# Allegro board MB1167.brd (continued)
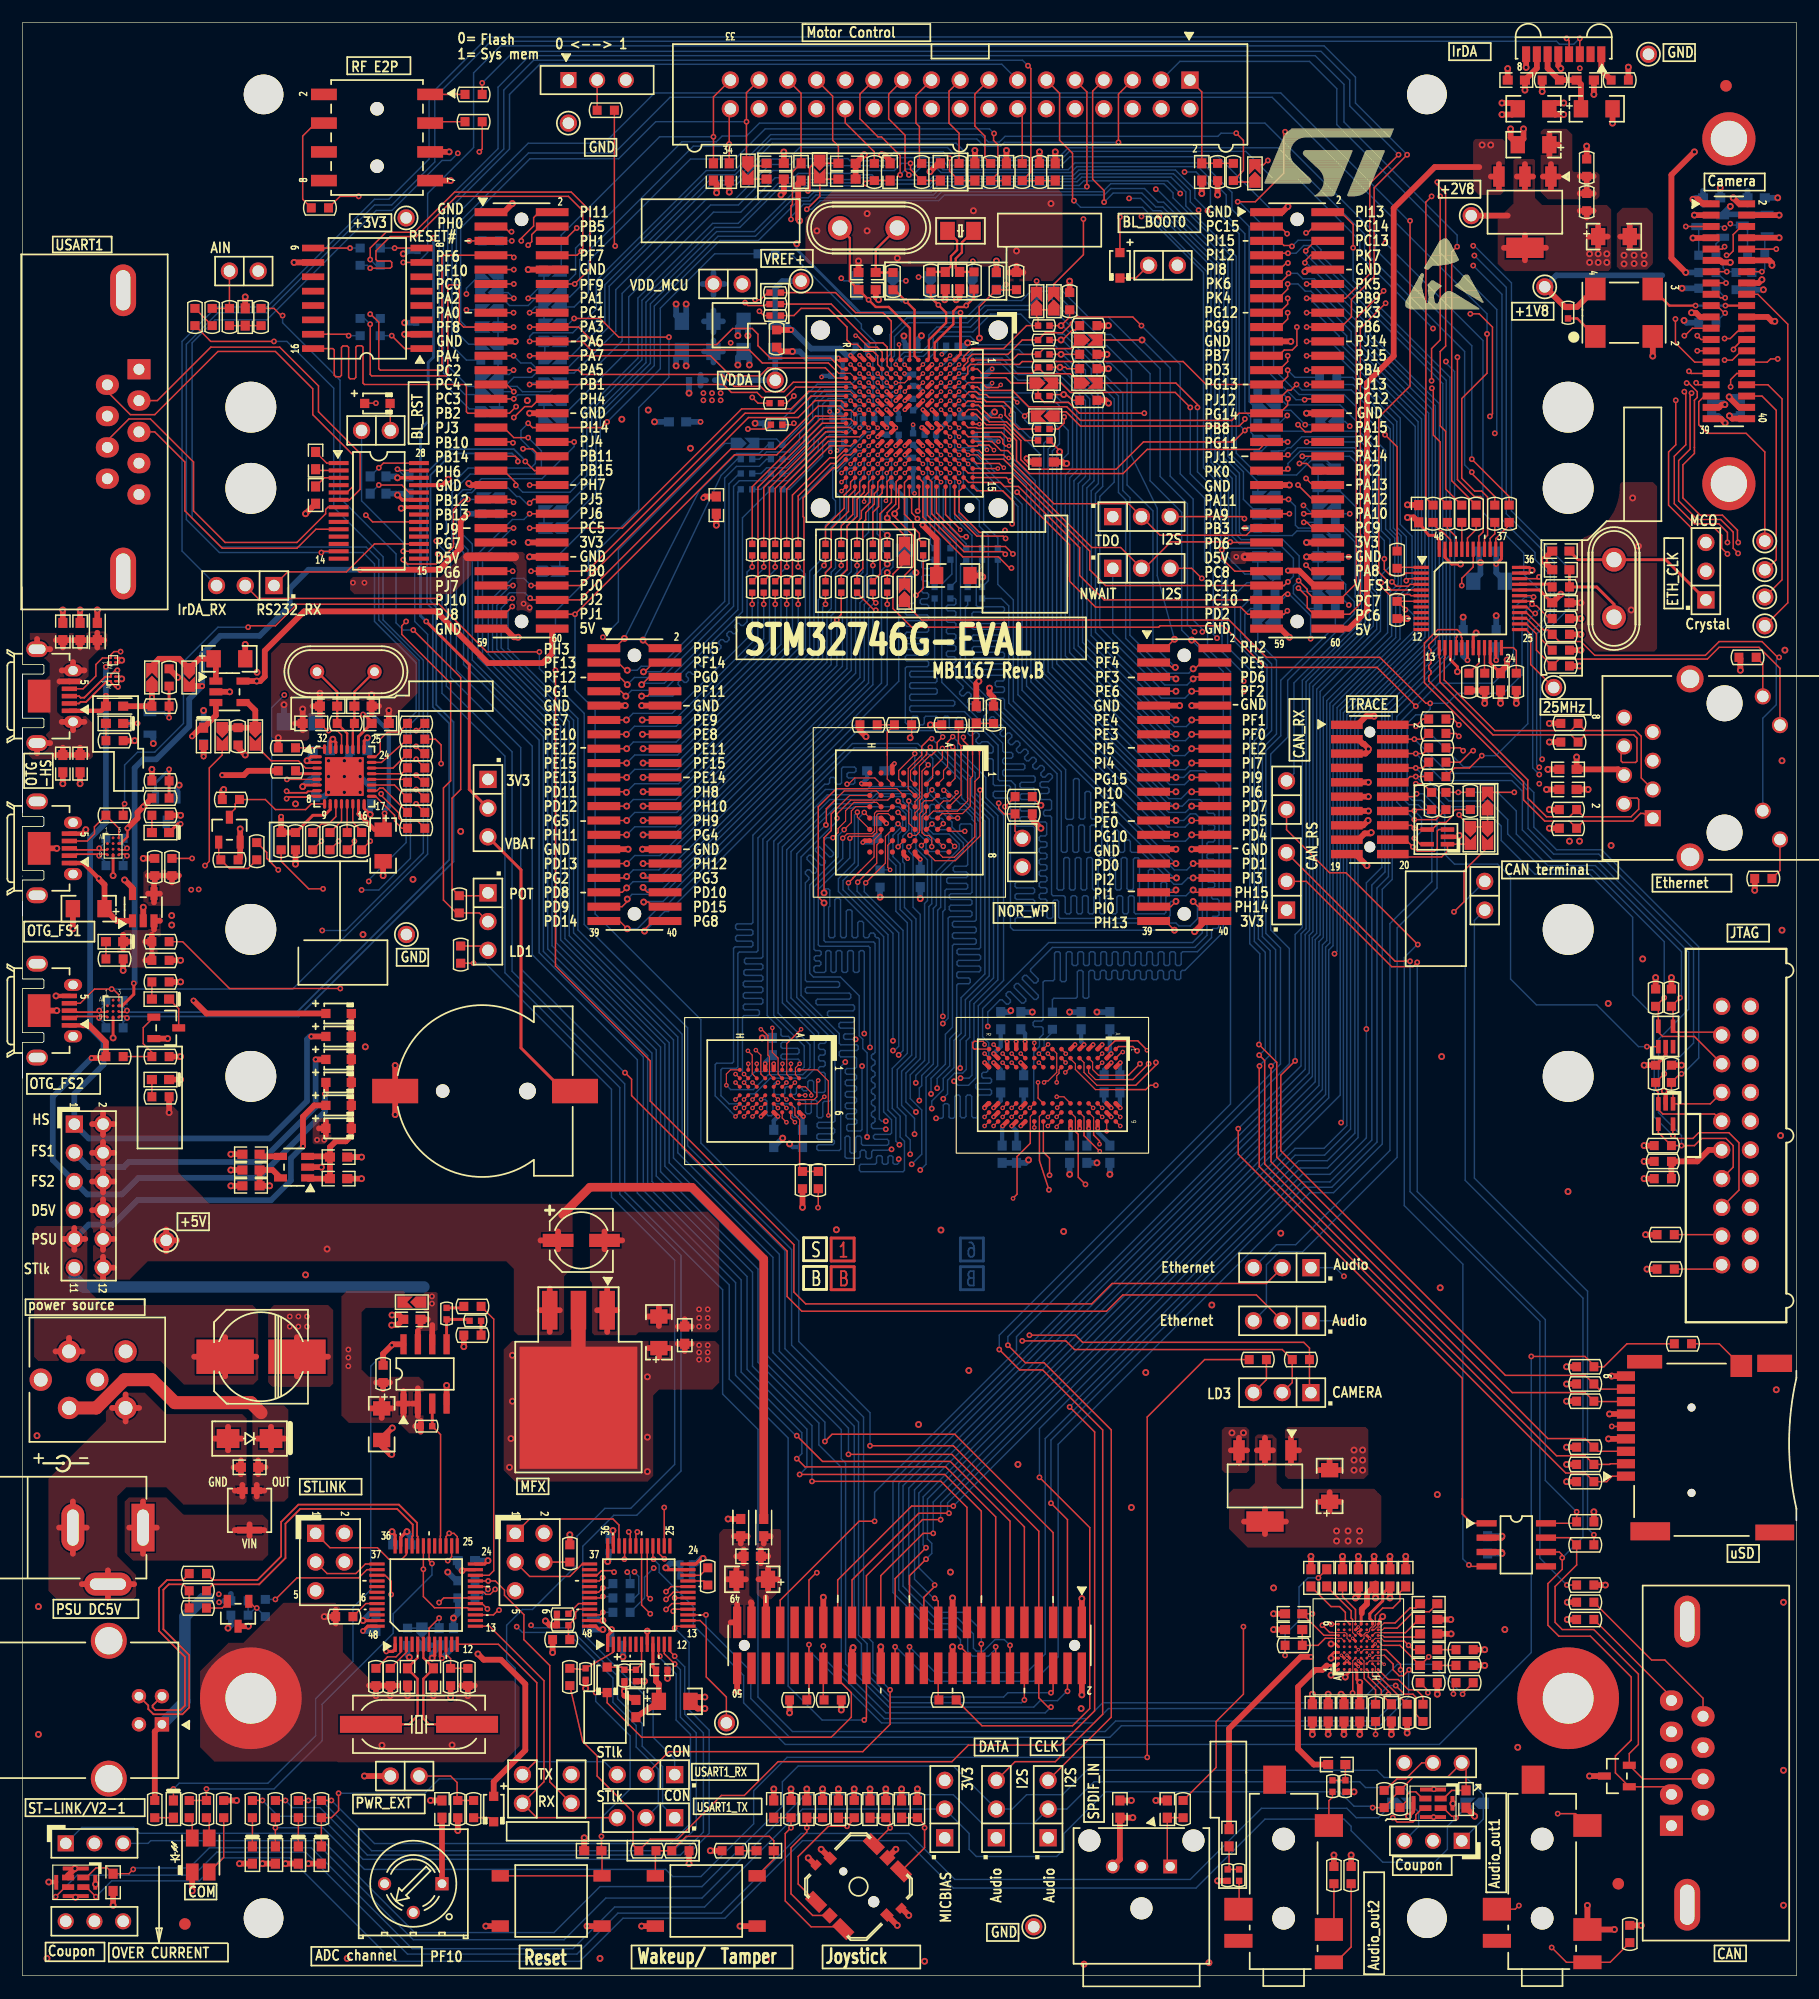
[diagram p0: board, top side]
## Routing (per net, layer and track width the routed paths; a pad name or vN(x,y) marks a point on that pad's centre or on a via; arc(x,y) is an arc through that point) (continued)
  TOP w0.127: CN10.25 v3(53.42,102.16)
  L4_SIG w0.102: v4(78.36,99.83) 77.58,99.06 68.4,99.06 65.99,101.47 65.5,101.47 65.4,101.57 65.4,102.16 65.3,102.26 65.1,102.26 64.99,102.16 64.99,101.57 64.89,101.47 64.69,101.47 64.59,101.57 64.59,102.16 64.49,102.26 64.28,102.26 64.18,102.16 64.18,101.57 64.08,101.47 63.88,101.47 63.78,101.57 63.78,102.16 63.67,102.26 63.47,102.26 63.37,102.16 63.37,101.57 63.27,101.47 63.06,101.47 62.96,101.57 62.96,102.16 62.86,102.26 62.66,102.26 62.56,102.16 62.56,101.57 62.45,101.47 62.25,101.47 62.15,101.57 62.15,102.16 62.05,102.26 61.84,102.26 61.74,102.16 61.74,101.57 61.64,101.47 61.44,101.47 61.34,101.57 61.34,102.16 61.24,102.26 61.03,102.26 60.93,102.16 60.93,101.57 60.83,101.47 60.63,101.47 60.52,101.57 60.52,102.16 60.42,102.26 60.22,102.26 60.12,102.16 60.12,101.57 60.02,101.47 59.81,101.47 59.71,101.57 59.71,102.16 59.61,102.26 59.41,102.26 59.3,102.16 59.3,101.57 59.2,101.47 59,101.47 58.9,101.57 58.9,102.16 58.8,102.26 58.59,102.26 58.49,102.16 58.49,101.57 58.39,101.47 58.19,101.47 58.09,101.57 58.09,102.16 57.98,102.26 57.78,102.26 57.68,102.16 57.68,101.57 57.58,101.47 57.37,101.47 57.27,101.57 57.27,102.16 57.17,102.26 56.97,102.26 56.87,102.16 56.87,101.57 56.76,101.47 56.56,101.47 56.46,101.57 56.46,102.16 56.36,102.26 56.16,102.26 56.05,102.16 56.05,101.57 55.95,101.47 54.1,101.47 v3(53.42,102.16) ; v5(64.54,77.48) 64.93,77.09 67.69,77.09 69.37,77.09 69.88,76.58 78.74,76.58 78.94,76.38 v1(78.99,76.38) 79.12,76.25 80.7,76.25 80.92,76.48 84.01,76.48 84.83,77.3 89.36,77.3 89.48,77.17 89.48,76.07 89.61,75.95 89.84,75.95 89.97,76.07 89.97,76.17 90.09,76.3 90.3,76.3 90.53,76.07 90.53,76.07 90.65,75.94 v5(90.66,75.94)
  BOTTOM w0.127: v3(53.42,102.16) 54.13,102.87 57.84,102.87 71.12,116.15 71.12,120.52 71.5,120.9 71.5,124.11 71.88,124.49 71.88,125.09 R264.2 ; v4(78.36,99.83) 78.36,99.44 78.74,99.06 78.74,94.49 79.38,93.85 79.38,81.09 78.11,79.82 78.11,77.27 v1(78.99,76.38)
A16: length 114.2
  TOP w0.102: v4(77.42,99.83) 77.42,99.88 U9.E7 ; v5(65.29,77.48) U14.E4
  TOP w0.127: CN10.21 53.34,104.7 v3(53.39,104.65)
  L4_SIG w0.102: v4(77.42,99.83) 77.4,99.82 68.91,99.82 64.72,104.01 54.1,104.01 53.47,104.65 v3(53.39,104.65)
  BOTTOM w0.127: R265.1 69.6,124.21 69.6,117.02 57.99,105.41 54.13,105.41 53.39,104.67 v3(53.39,104.65) ; v5(65.29,77.48) 65.67,77.48 65.81,77.34 65.81,76.17 65.94,76.05 66.22,76.05 66.34,76.17 66.34,76.97 66.47,77.1 67.92,77.1 68.05,76.97 68.05,76.02 68.17,75.9 68.48,75.9 68.61,76.02 68.61,77.32 68.73,77.44 69.1,77.44 69.23,77.32 69.23,76.35 69.36,76.23 69.61,76.23 69.74,76.35 69.74,77.32 69.87,77.44 70.12,77.44 70.25,77.32 70.25,76 70.37,75.87 70.63,75.87 70.75,76 70.75,77.19 70.88,77.32 71.32,77.32 71.45,77.44 71.45,82.96 67.94,86.46 67.94,99.41 71.79,103.25 73.41,103.25 73.53,103.38 77.48,103.38 77.82,103.04 77.82,103.03 78.11,102.74 78.11,101.6 77.42,100.91 v4(77.42,99.83)
A17: length 114.8
  TOP w0.102: v5(66.79,78.98) U14.D3 ; v4(78.46,100.84) 79.02,100.84 79.29,101.11 79.29,102.74 79.53,102.97 79.53,103.68 79.76,103.91 80.44,103.91 80.9,104.37 U9.B3
  TOP w0.127: CN10.23 v3(53.42,103.43)
  L4_SIG w0.102: v4(78.46,100.84) 77.97,100.34 77.97,99.73 77.68,99.44 68.68,99.44 65.38,102.74 54.1,102.74 v3(53.42,103.43)
  BOTTOM w0.127: v5(66.79,78.98) 66.57,78.98 66.45,78.85 66.45,78.05 66.57,77.93 67.28,77.93 67.4,78.05 67.4,78.49 67.53,78.61 67.78,78.61 67.91,78.49 67.91,78.05 68.04,77.93 68.29,77.93 68.42,78.05 68.42,78.49 68.55,78.61 68.8,78.61 68.93,78.49 68.93,78.38 69.05,78.26 69.31,78.26 69.44,78.38 69.44,79.04 69.56,79.17 69.82,79.17 69.94,79.04 69.94,78.23 70.07,78.11 70.84,78.11 70.97,78.23 70.97,79.76 70.84,79.88 70.51,79.88 70.38,80.01 70.38,80.26 70.51,80.39 70.84,80.39 70.97,80.52 70.97,80.77 70.84,80.9 70.51,80.9 70.38,81.03 70.38,81.28 70.51,81.41 70.84,81.41 70.97,81.53 70.97,81.79 70.84,81.92 70.51,81.92 70.38,82.04 70.38,82.32 70.51,82.45 70.92,82.45 71.04,82.58 71.04,82.78 70.92,82.91 70.51,82.91 70.38,83.03 70.38,83.39 67.56,86.21 67.56,99.57 71.63,103.63 75.06,103.63 75.7,104.28 77.71,104.28 77.85,104.14 77.85,103.82 78.19,103.48 78.2,103.48 78.61,103.07 78.61,100.99 v4(78.46,100.84) ; v3(53.42,103.43) 54,104.01 57.78,104.01 70.36,116.59 70.36,121.67 R274.2
A18: length 122.8
  TOP w0.102: v5(62.23,78.74) 62.23,79.74 62.59,80.11 U14.H1 ; U9.C4 79.91,102.91 79.53,102.53 79.53,101.07 79.76,100.84 80.14,100.84 80.39,100.58 v4(80.39,99.85)
  TOP w0.127: CN10.31 v3(53.42,98.35)
  L4_SIG w0.102: v3(53.42,98.35) 53.98,97.79 55.02,97.79 55.45,98.22 79.57,98.22 80.39,99.05 v4(80.39,99.85)
  BOTTOM w0.127: v3(53.42,98.35) 54.13,99.06 56.36,99.06 72.89,115.59 72.89,123.79 73.28,124.18 73.28,125.09 R263.2 ; v5(62.23,78.74) 62.61,78.36 64.62,78.36 65.94,79.68 68.98,79.68 69.62,80.32 69.62,82.32 66.8,85.14 66.8,100.08 71.16,104.43 74.84,104.43 75.2,104.79 78.56,104.79 79.38,103.98 79.38,101.35 80.39,100.33 v4(80.39,99.85)
A19: length 127.2
  TOP w0.102: v5(63.79,79.73) U14.G2 ; v4(80.08,107.08) 79.53,106.53 79.53,104.14 79.29,103.9 79.29,103.21 78.91,102.83 U9.D5
  TOP w0.127: CN11.13 v3(101.98,109.78) ; R37.2 v3(91.73,142.24) 92.22,142.24 92.35,142.11 R38.2
  L4_SIG w0.102: v3(101.98,109.78) 101.14,109.78 98.17,106.81 80.35,106.81 v4(80.08,107.08)
  BOTTOM w0.127: v3(91.73,142.24) 92.84,141.13 92.84,140.97 94.36,139.45 94.36,132.37 93.73,131.73 93.73,117.91 101.85,109.78 v3(101.98,109.78) ; v5(63.79,79.73) 63.65,79.87 63.65,84.78 63.78,84.9 65.02,84.9 65.15,85.03 65.15,85.29 65.02,85.41 63.86,85.41 63.73,85.54 63.73,85.79 63.86,85.92 65.33,85.92 65.46,86.05 65.46,86.3 65.33,86.43 63.86,86.43 63.73,86.56 63.73,86.81 63.86,86.94 65.33,86.94 65.46,87.06 65.46,87.32 65.33,87.44 63.86,87.44 63.73,87.57 63.73,87.83 63.86,87.95 65.33,87.95 65.46,88.08 65.46,88.33 65.33,88.46 63.91,88.46 63.78,88.59 63.78,88.84 63.91,88.97 65.33,88.97 65.46,89.1 65.46,89.35 65.33,89.48 63.96,89.48 63.83,89.6 63.83,89.86 63.96,89.98 65.33,89.98 65.46,90.11 65.46,100.51 73.53,108.58 78.99,108.58 79.5,108.08 79.5,107.65 v4(80.08,107.08)
A20: length 129
  TOP w0.102: 80.39,107.95 80.26,107.95 79.3,106.98 79.3,104.22 78.91,103.83 U9.D4 ; U14.H6 v5(63.04,75.98)
  TOP w0.127: R36.2 v3(91.82,143.38) R35.2 ; v4(81.36,109.55) 80.87,109.07 80.87,108.43 80.39,107.95 ; CN11.11 v3(101.98,111.05)
  L4_SIG w0.102: v3(101.98,111.05) 101.02,111.05 97.54,107.57 81.66,107.57 80.85,108.38 80.85,109.04 v4(81.36,109.55)
  BOTTOM w0.127: v4(81.36,109.55) 81.36,109.65 80.9,110.11 73.83,110.11 64.57,100.86 64.57,93.14 64.45,93.01 63.17,93.01 63.04,92.89 63.04,92.63 63.17,92.51 64.45,92.51 64.57,92.38 64.57,92.13 64.45,92 63.17,92 63.04,91.87 63.04,91.62 63.17,91.49 64.45,91.49 64.57,91.36 64.57,91.11 64.45,90.98 62.99,90.98 62.87,90.86 62.87,80.82 62.74,80.7 61.37,80.7 61.24,80.57 61.24,77.8 62.56,76.48 62.56,76.46 v5(63.04,75.98) ; v3(101.98,111.05) 101.96,111.05 94.49,118.52 94.49,131.32 95.12,131.95 95.12,139.77 93.6,141.29 93.6,141.73 91.95,143.38 v3(91.82,143.38)
A21: length 74.9
  TOP w0.102: 83.57,107.95 83.57,103.89 82.67,102.99 81.75,102.99 81.74,103 81.08,103 81.07,102.99 80.53,102.99 U9.C5
  TOP w0.127: R31.2 v3(91.82,145.92) 92.58,146.69 R23.2 ; 83.57,107.95 83.57,108.84 83.19,109.22 v4(83.19,109.52) ; v3(103.5,115.57) 103.66,115.57 104.22,116.13 CN11.4
  L4_SIG w0.102: v3(103.5,115.57) 103.1,115.16 101.6,115.16 96.42,109.98 83.69,109.98 83.31,109.6 83.26,109.6 v4(83.19,109.52)
  BOTTOM w0.127: v3(103.5,115.57) 103.12,115.19 101.27,115.19 97.92,118.54 97.92,130.71 97.28,131.34 97.28,139.95 95.38,141.86 95.38,142.49 91.95,145.92 v3(91.82,145.92)
A22: length 73.9
  TOP w0.102: 84.61,107.95 84.61,106.02 84.2,105.61 84.2,100.71 82.4,98.91 81.37,98.91 U9.B8
  TOP w0.127: R34.2 v3(91.82,144.65) 91.95,144.65 92.84,145.54 93.09,145.54 R32.2 ; CN11.7 v3(101.98,113.59) ; 84.61,107.95 v4(84.61,108.48)
  L4_SIG w0.102: v3(101.98,113.59) 96.88,108.48 v4(84.61,108.48)
  BOTTOM w0.127: v3(101.98,113.59) 100.86,113.59 95.25,119.2 95.25,130.81 96.52,132.08 96.52,139.45 94.49,141.48 94.49,142.11 91.95,144.65 v3(91.82,144.65)
A23: length 74.2
  TOP w0.102: U9.C8 80.68,98.6 82.47,98.6 84.66,100.79 v4(84.66,104.85)
  TOP w0.127: R39.2 90.93,139.83 v3(92.06,139.83) 92.3,139.83 92.49,139.64 92.52,139.64 92.84,139.32 R40.2 ; CN11.16 v3(103.38,108.51)
  L4_SIG w0.102: v3(103.38,108.51) 102.9,108.99 101.63,108.99 97.92,105.28 85.09,105.28 v4(84.66,104.85)
  BOTTOM w0.127: v3(103.38,108.51) 102.77,107.9 101.7,107.9 92.58,117.02 92.58,132.46 93.22,133.1 93.22,138.94 92.44,139.72 92.16,139.72 v3(92.06,139.83)
AIN_1: length 3.8
  TOP w0.127: R187.2 R186.2 37.85,28.03 37.44,28.44 U21.10
BOOT0: length 79
  TOP w0.127: v1(52.4,152.96) 52.32,153.03 R4.1 ; U4.E6 v5(81.21,139.29)
  L4_SIG w0.102: JP1.2 100.58,149.73 94.49,149.73 92.84,148.08 91.44,148.08 90.44,147.08 85.84,147.08 84.1,145.34 84.1,144.15 83.27,143.32 83.27,142.41 82.91,142.04 82.66,142.04 82.45,141.83 82.45,141.59 82.11,141.24 81.06,141.24 80.77,140.95 80.77,139.95 81.21,139.52 v5(81.21,139.29) 81.21,139.22 80.87,138.89 80.31,138.89 80.27,138.93 80.26,138.93 80.05,139.14 80.05,139.15 79.97,139.24 79.97,139.43 79.76,139.64 79.56,139.64 79.47,139.73 79.46,139.73 79.25,139.94 79.25,139.95 78.89,140.31 78.89,142.39 78.23,143.05 77.55,143.05 76.81,143.79 76.81,146.08 75.9,146.99 73.48,146.99 69.47,151 54.36,151 v1(52.4,152.96)
CAMERA_CLK: length 8.9
  TOP w0.203: CN4.20 v1(150.57,147.69) ; X3.3 145.62,147.69 v1(147.93,147.69)
  BOTTOM w0.203: v1(150.57,147.69) v1(147.93,147.69)
CUR_SEL: length 25.6
  TOP w0.127: R150.1 41.66,58.06 41.66,35.81 41.25,35.41 U21.22
D0: length 140.6
  TOP w0.102: v5(85.06,75.94) U13.R8 ; 71.88,104.9 71.96,104.98 77.3,104.98 U9.E3 ; U14.B6 67.92,75.85 v5(68.29,75.47)
  TOP w0.127: 71.88,104.9 70.36,103.38 70.36,95.38 v3(70.87,94.87) ; CN10.39 52.78,93.27 v3(53.47,92.58) ; R72.2 v1(76.45,121.28)
  L4_SIG w0.102: v3(70.87,94.87) 70.87,93.22 70.59,92.94 70.33,92.94 70.23,93.04 70.23,93.34 70.13,93.45 69.93,93.45 69.82,93.34 69.82,93.04 69.72,92.94 69.52,92.94 69.42,93.04 69.42,93.34 69.32,93.45 69.11,93.45 69.01,93.34 69.01,93.04 68.91,92.94 68.71,92.94 68.61,93.04 68.61,93.34 68.5,93.45 68.3,93.45 68.2,93.34 68.2,93.04 68.1,92.94 67.89,92.94 67.79,93.04 67.79,93.34 67.69,93.45 67.49,93.45 67.39,93.34 67.39,93.04 67.28,92.94 67.08,92.94 66.98,93.04 66.98,93.34 66.88,93.45 66.67,93.45 66.57,93.34 66.57,93.04 66.47,92.94 66.27,92.94 66.17,93.04 66.17,93.34 66.07,93.45 65.86,93.45 65.76,93.34 65.76,93.04 65.66,92.94 65.46,92.94 65.35,93.04 65.35,93.34 65.25,93.45 65.05,93.45 64.95,93.34 64.95,93.04 64.85,92.94 64.64,92.94 64.54,93.04 64.54,93.34 64.44,93.45 64.24,93.45 64.14,93.34 64.14,93.04 64.03,92.94 63.83,92.94 63.73,93.04 63.73,93.34 63.63,93.45 63.42,93.45 63.32,93.34 63.32,93.04 63.22,92.94 63.02,92.94 62.92,93.04 62.92,93.34 62.81,93.45 62.61,93.45 62.51,93.34 62.51,93.04 62.41,92.94 62.2,92.94 62.1,93.04 62.1,93.34 62,93.45 61.8,93.45 61.7,93.34 61.7,93.04 61.59,92.94 61.39,92.94 61.29,93.04 61.29,93.34 61.19,93.45 60.99,93.45 60.88,93.34 60.88,93.04 60.78,92.94 60.58,92.94 60.48,93.04 60.48,93.34 60.38,93.45 60.17,93.45 60.07,93.34 60.07,93.04 59.97,92.94 59.77,92.94 59.66,93.04 59.66,93.34 59.56,93.45 59.36,93.45 59.26,93.34 59.26,93.04 59.16,92.94 58.95,92.94 58.85,93.04 58.85,93.34 58.75,93.45 58.55,93.45 58.45,93.34 58.45,93.04 58.34,92.94 58.14,92.94 58.04,93.04 58.04,93.34 57.94,93.45 57.73,93.45 57.63,93.34 57.63,93.04 57.53,92.94 57.33,92.94 57.23,93.04 57.23,93.34 57.12,93.45 56.92,93.45 56.82,93.34 56.82,93.04 56.72,92.94 56.52,92.94 56.41,93.04 56.41,93.34 56.31,93.45 56.11,93.45 56.01,93.34 56.01,93.04 55.91,92.94 55.7,92.94 55.6,93.04 55.6,93.34 55.5,93.45 55.3,93.45 55.19,93.34 55.19,93.04 55.09,92.94 54.86,92.94 54.51,92.58 v3(53.47,92.58) ; v5(85.06,75.94) 84.66,75.54 81.61,75.54 81.15,75.08 76.61,75.08 76.38,74.85 v1(76.33,74.85) 76.05,74.85 75.72,75.18 69.47,75.18 69.04,75.62 68.42,75.62 68.29,75.49 v5(68.29,75.47)
  BOTTOM w0.127: v1(76.33,74.85) 76.27,74.91 75.18,74.91 75.06,75.04 75.06,75.29 75.18,75.42 75.25,75.42 75.37,75.55 75.37,75.8 75.25,75.93 75.18,75.93 75.06,76.05 75.06,76.31 75.18,76.43 75.25,76.43 75.37,76.56 75.37,76.82 75.25,76.94 75.18,76.94 75.06,77.07 75.06,77.32 75.18,77.45 75.25,77.45 75.37,77.58 75.37,77.83 75.25,77.96 75.18,77.96 75.06,78.09 75.06,78.34 75.18,78.47 75.25,78.47 75.37,78.59 75.37,78.85 75.25,78.97 75.18,78.97 75.06,79.1 75.06,79.36 75.18,79.48 75.25,79.48 75.37,79.61 75.37,79.86 75.25,79.99 75.18,79.99 75.06,80.12 75.06,80.37 75.18,80.5 75.25,80.5 75.37,80.63 75.37,80.88 75.25,81.01 75.18,81.01 75.06,81.13 75.06,81.39 75.18,81.51 75.25,81.51 75.37,81.64 75.37,91.29 75.25,91.41 70.99,91.41 70.87,91.54 v3(70.87,94.87) ; v1(76.45,121.28) 76.45,114.17 56.9,94.61 56.39,94.61 54.36,92.58 v3(53.47,92.58)
D1: length 141.8
  TOP w0.102: 71.88,103.12 73.13,104.37 U9.H3 ; v5(86.66,76.74) U13.N7 ; U14.C5 v5(67.54,76.73)
  TOP w0.127: v3(70.87,95.76) 70.87,100.63 71.5,101.27 71.5,102.74 71.88,103.12 ; v3(54.91,94.95) 55.35,94.95 55.75,94.54 CN10.38 ; R60.2 v3(76.45,124.84)
  L4_SIG w0.102: v5(86.66,76.74) 86.26,76.34 84.85,76.34 84.35,75.84 81.46,75.84 81,75.39 76.5,75.39 v1(76.33,75.56) 75.28,75.56 75.13,75.72 74.87,75.72 74.72,75.56 74.47,75.56 74.31,75.72 74.06,75.72 73.91,75.56 73.65,75.56 73.5,75.72 73.25,75.72 73.09,75.56 72.84,75.56 72.69,75.72 72.43,75.72 72.28,75.56 72.03,75.56 71.88,75.72 71.62,75.72 71.47,75.56 70.87,75.56 70.74,75.69 70.74,76.09 70.61,76.21 70.36,76.21 70.23,76.09 70.23,75.79 70.1,75.67 69.82,75.67 69.7,75.79 69.7,76.33 69.29,76.73 68.35,76.73 68.22,76.61 68.22,76.38 68.1,76.25 67.92,76.25 67.79,76.38 67.79,76.61 67.67,76.73 v5(67.54,76.73) ; v3(70.87,95.76) 70.51,95.76 70.38,95.63 70.38,93.9 70.26,93.78 57.05,93.78 56.95,93.88 56.95,95 56.83,95.12 56.66,95.12 56.55,95 56.55,93.88 56.44,93.78 56.24,93.78 56.14,93.88 56.14,94.95 56.02,95.07 55.85,95.07 55.73,94.95 55.73,93.88 55.63,93.78 55.4,93.78 55.27,93.9 55.27,94.82 55.14,94.95 v3(54.91,94.95)
  BOTTOM w0.127: v3(76.45,124.84) 76.45,124.78 75.95,124.27 75.95,114.31 56.63,95 54.97,95 v3(54.91,94.95) ; v3(70.87,95.76) 70.87,95.99 70.99,96.11 71.25,96.11 71.37,95.99 71.37,94.59 71.27,94.49 71.27,91.92 71.4,91.8 71.69,91.8 71.82,91.92 71.82,95.15 71.95,95.28 72.2,95.28 72.33,95.15 72.33,91.92 72.45,91.8 72.71,91.8 72.83,91.92 72.83,94.13 72.96,94.26 73.22,94.26 73.34,94.13 73.34,91.92 73.47,91.8 73.72,91.8 73.85,91.92 73.85,93.12 73.98,93.24 74.23,93.24 74.36,93.12 74.36,91.92 74.49,91.8 74.74,91.8 74.87,91.92 74.87,92.08 74.99,92.2 75.25,92.2 75.37,92.08 75.37,91.92 75.5,91.8 75.63,91.8 75.76,91.67 75.76,75.76 75.95,75.56 v1(76.33,75.56)
D2: length 129
  TOP w0.102: v5(67.54,75.47) 67.16,75.85 U14.C6 ; U9.E4 v4(77.41,103.87) ; v5(85.06,75.14) U13.R9
  TOP w0.127: CN11.31 v3(101.98,98.35)
  L4_SIG w0.102: v3(101.98,98.35) 101.9,98.35 100.86,99.39 86.92,99.39 86.79,99.52 86.79,101.47 86.66,101.6 86.21,101.6 86.11,101.5 86.11,99.52 86.01,99.42 85.8,99.42 85.7,99.52 85.7,101.5 85.6,101.6 85.4,101.6 85.3,101.5 85.3,99.52 85.19,99.42 84.99,99.42 84.89,99.52 84.89,101.5 84.79,101.6 82.3,101.6 81.84,101.14 79.76,101.14 77.41,103.49 v4(77.41,103.87) ; v5(67.54,75.47) 68.21,74.8 75.01,74.8 75.39,74.42 v1(78.87,74.42) 81.56,74.42 81.66,74.52 81.66,75.01 81.78,75.13 81.95,75.13 82.07,75.01 82.07,74.52 82.17,74.42 82.37,74.42 82.47,74.52 82.47,74.96 82.59,75.08 82.76,75.08 82.88,74.96 82.88,74.52 82.98,74.42 83.19,74.42 83.29,74.52 83.29,74.96 83.39,75.06 83.59,75.06 83.69,74.96 83.69,74.52 83.79,74.42 84,74.42 84.1,74.52 84.1,74.96 84.2,75.06 84.4,75.06 84.51,74.96 84.51,74.55 84.63,74.42 84.93,74.42 85.06,74.55 v5(85.06,75.14)
  BOTTOM w0.127: v1(78.87,74.42) 78.87,75.82 77.72,76.96 77.72,79.98 78.99,81.25 78.99,93.45 77.98,94.46 77.98,98.36 77.83,98.51 77.83,100.78 78.36,101.31 78.36,102.87 77.41,103.82 v4(77.41,103.87) ; v3(101.98,98.35) 101.96,98.35 87.6,112.7 87.6,121.67 86.23,123.04 R267.2
D3: length 130.7
  TOP w0.102: v4(72.64,101.35) 73.28,101.98 73.28,103 73.67,103.39 74.89,103.39 U9.H4 ; U14.D5 v5(66.79,76.73) ; v5(86.66,75.94) U13.N8
  TOP w0.127: CN11.32 v3(103.5,98.35)
  L4_SIG w0.102: v5(66.79,76.73) 67.18,76.34 67.18,75.29 68.3,74.17 68.66,74.17 68.76,74.27 68.76,74.37 68.87,74.47 69.07,74.47 69.17,74.37 69.17,74.27 69.27,74.17 69.47,74.17 69.58,74.27 69.58,74.37 69.68,74.47 69.88,74.47 69.98,74.37 69.98,74.27 70.08,74.17 70.29,74.17 70.39,74.27 70.39,74.37 70.49,74.47 70.69,74.47 70.8,74.37 70.8,74.27 70.9,74.17 71.1,74.17 71.2,74.27 71.2,74.37 71.3,74.47 71.51,74.47 71.61,74.37 71.61,74.27 71.71,74.17 71.91,74.17 72.01,74.27 72.01,74.37 72.12,74.47 72.32,74.47 72.42,74.37 72.42,74.27 72.52,74.17 72.73,74.17 72.83,74.27 72.83,74.37 72.93,74.47 73.13,74.47 73.23,74.37 73.23,74.27 73.34,74.17 73.54,74.17 73.64,74.27 73.64,74.37 73.74,74.47 73.95,74.47 74.05,74.37 74.05,74.27 74.15,74.17 v1(74.68,74.17) 74.93,73.91 78.99,73.91 79.2,74.12 85.06,74.12 85.47,74.52 85.47,75.31 85.72,75.56 86.11,75.56 86.48,75.94 v5(86.66,75.94) ; v3(103.5,98.35) 103.05,98.35 102.57,97.87 101.63,97.87 100.48,99.01 84.05,99.01 82.47,100.58 79.38,100.58 78.73,101.23 72.76,101.23 v4(72.64,101.35)
  BOTTOM w0.127: v3(103.5,98.35) 102.95,97.79 101.84,97.79 101.49,98.14 101.49,98.26 87.2,112.55 87.2,121.13 86.54,121.79 R276.2 ; v1(74.68,74.17) 74.68,81.61 74.3,81.99 74.3,82.81 73.98,83.13 73.98,86.65 72.31,88.32 69.93,88.32 69.6,88.65 69.6,96.44 72.11,98.96 72.11,100.81 v4(72.64,101.35)
D4: length 120.7
  TOP w0.102: v5(85.86,75.14) U13.P9 ; U9.H5 74.91,102.38 v4(74.42,102.87) ; U14.E5 v5(65.29,76.73)
  TOP w0.127: CN10.11 v3(53.39,111.05) ; v1(64.52,121.28) R63.2
  L4_SIG w0.102: v5(65.29,76.73) 65.76,76.26 65.78,76.26 68.5,73.53 77.48,73.53 v1(77.53,73.48) 77.55,73.48 77.6,73.53 79.04,73.53 79.32,73.81 79.59,73.81 79.69,73.71 79.69,73.36 79.79,73.25 79.99,73.25 80.09,73.36 80.09,73.71 80.2,73.81 80.4,73.81 80.5,73.71 80.5,73.36 80.6,73.25 80.81,73.25 80.91,73.36 80.91,73.71 81.01,73.81 81.21,73.81 81.31,73.71 81.31,73.36 81.41,73.25 81.62,73.25 81.72,73.36 81.72,73.71 81.82,73.81 82.02,73.81 82.13,73.71 82.13,73.36 82.23,73.25 82.43,73.25 82.53,73.36 82.53,73.71 82.63,73.81 85.19,73.81 85.86,74.48 v5(85.86,75.14) ; v4(74.42,102.87) 74.04,102.49 73.66,102.49 71.84,104.31 71.7,104.31 71.11,103.71 70.96,103.71 70.82,103.86 70.82,104 71.41,104.59 71.41,104.74 71.27,104.88 71.12,104.88 70.53,104.29 70.39,104.29 70.24,104.43 70.24,104.58 70.84,105.17 70.84,105.31 65.84,110.31 65.58,110.31 65.48,110.41 65.48,110.68 65.36,110.79 65.19,110.79 65.07,110.68 65.07,110.41 64.97,110.31 64.77,110.31 64.67,110.41 64.67,110.79 64.57,110.9 64.36,110.9 64.26,110.79 64.26,110.41 64.16,110.31 63.96,110.31 63.86,110.41 63.86,110.79 63.75,110.9 63.55,110.9 63.45,110.79 63.45,110.41 63.35,110.31 63.14,110.31 63.04,110.41 63.04,110.79 62.94,110.9 62.74,110.9 62.64,110.79 62.64,110.41 62.53,110.31 62.33,110.31 62.23,110.41 62.23,110.79 62.13,110.9 61.92,110.9 61.82,110.79 61.82,110.41 61.72,110.31 61.52,110.31 61.42,110.41 61.42,110.79 61.32,110.9 61.11,110.9 61.01,110.79 61.01,110.41 60.91,110.31 60.71,110.31 60.6,110.41 60.6,110.79 60.5,110.9 60.3,110.9 60.2,110.79 60.2,110.41 60.1,110.31 59.89,110.31 59.79,110.41 59.79,110.79 59.69,110.9 59.49,110.9 59.38,110.79 59.38,110.41 59.28,110.31 59.08,110.31 58.98,110.41 58.98,110.79 58.88,110.9 58.67,110.9 58.57,110.79 58.57,110.41 58.47,110.31 58.27,110.31 58.17,110.41 58.17,110.79 58.06,110.9 57.86,110.9 57.76,110.79 57.76,110.41 57.66,110.31 57.45,110.31 57.35,110.41 57.35,110.79 57.25,110.9 57.05,110.9 56.95,110.79 56.95,110.41 56.84,110.31 56.64,110.31 56.54,110.41 56.54,110.79 56.44,110.9 56.24,110.9 56.13,110.79 56.13,110.41 56.03,110.31 55.83,110.31 55.73,110.41 55.73,110.79 55.63,110.9 55.42,110.9 55.32,110.79 55.32,110.41 55.22,110.31 54.13,110.31 v3(53.39,111.05)
  BOTTOM w0.127: v4(74.42,102.87) 73.89,102.34 73.89,98.2 72.54,96.85 72.54,96.04 76.52,92.06 76.52,76.55 77.22,75.85 77.22,73.8 v1(77.53,73.48) ; v1(64.52,121.28) 64.52,118.72 57.43,111.63 53.98,111.63 v3(53.39,111.05)
D5: length 128.8
  TOP w0.102: U9.E5 v4(77.41,102.87) ; U14.F5 v5(64.54,76.73) ; v5(87.46,75.94) U13.M8
  TOP w0.127: R53.2 v1(66.55,124.59) ; CN10.14 v3(54.81,109.78)
  L4_SIG w0.102: v5(87.46,75.94) 87.46,75.78 87.1,75.42 87.1,74.65 86.98,74.52 86.66,74.52 86.54,74.4 86.54,74.27 86.66,74.14 87.15,74.14 87.27,74.02 87.27,73.84 87.15,73.71 85.96,73.71 85.84,73.58 85.84,72.75 85.74,72.64 85.42,72.64 85.32,72.75 85.32,73.08 85.22,73.18 85.01,73.18 84.91,73.08 84.91,72.75 84.81,72.64 84.61,72.64 84.51,72.75 84.51,73.08 84.4,73.18 84.2,73.18 84.1,73.08 84.1,72.75 84,72.64 83.79,72.64 83.69,72.75 83.69,73.08 83.59,73.18 83.39,73.18 83.29,73.08 83.29,72.75 83.19,72.64 v1(78.49,72.64) 67.34,72.64 64.15,75.83 64.15,76.34 v5(64.54,76.73) ; v4(77.41,102.87) 76.5,102.87 75.85,102.22 73.29,102.22 72.39,103.12 71.07,103.12 69.1,105.09 69.1,105.23 69.57,105.7 69.57,105.84 69.43,105.99 69.28,105.99 68.82,105.52 68.67,105.52 68.53,105.66 68.53,105.81 69,106.27 69,106.42 68.85,106.56 68.71,106.56 68.24,106.09 68.1,106.09 67.95,106.24 67.95,106.38 68.42,106.85 68.42,106.99 68.28,107.14 68.13,107.14 67.67,106.67 67.52,106.67 67.38,106.81 67.38,106.96 67.85,107.42 67.85,107.57 67.7,107.71 67.56,107.71 67.09,107.24 66.95,107.24 66.8,107.39 66.8,107.53 67.27,108 67.27,108.14 67.13,108.29 66.98,108.29 66.52,107.82 66.37,107.82 66.23,107.96 66.23,108.11 66.7,108.57 66.7,108.72 66.55,108.86 66.41,108.86 65.94,108.4 65.8,108.4 65.65,108.54 65.65,108.68 66.12,109.15 66.12,109.29 65.98,109.44 65.83,109.44 65.37,108.97 65.22,108.97 65.08,109.11 65.08,109.26 65.55,109.72 65.55,109.87 65.4,110.01 65.26,110.01 64.79,109.55 64.65,109.55 64.41,109.78 v3(54.81,109.78)
  BOTTOM w0.127: v1(78.49,72.64) 78.49,73.91 78.11,74.3 78.11,76.04 77.34,76.8 77.34,80.14 78.61,81.41 78.61,93.27 77.6,94.28 77.6,98.33 76.96,98.96 76.96,100.85 77.82,101.7 77.82,102.46 v4(77.41,102.87) ; v1(66.55,124.59) 66.55,124.33 66.04,123.83 66.04,117.98 57.84,109.78 v3(54.81,109.78)
D6: length 124.8
  TOP w0.102: U9.H6 74.91,101.37 73.81,102.46 v4(73.81,102.89) ; U14.F6 v5(64.54,75.98) ; v5(87.46,76.74) U13.M7
  TOP w0.127: R52.2 v1(65.53,124.59) ; CN10.12 v3(54.79,111.05)
  L4_SIG w0.102: v3(54.79,111.05) 54.97,111.23 65.48,111.23 v4(73.81,102.89) ; v5(64.54,75.98) 64.54,75.97 67.44,73.08 v1(76.83,73.08) 76.96,72.95 77.77,72.95 77.98,73.15 78.69,73.15 78.89,72.95 82.75,72.95 82.88,73.08 82.88,73.36 83.01,73.48 85.29,73.48 86.23,74.42 86.23,75.22 86.51,75.5 86.72,75.5 87.01,75.79 87.01,76.3 v5(87.46,76.74)
  BOTTOM w0.127: v1(65.53,124.59) 65.53,124.46 65.02,123.95 65.02,121.41 65.01,121.4 65.01,118.42 57.64,111.05 v3(54.79,111.05) ; v1(76.83,73.08) 76.76,73 75.2,73 75.08,72.87 75.08,72.39 74.95,72.26 74.7,72.26 74.57,72.39 74.57,72.87 74.44,73 74.19,73 74.06,72.87 74.06,72.42 73.93,72.29 72.85,72.29 72.72,72.42 72.72,74.12 72.85,74.24 73.03,74.24 73.15,74.12 73.15,72.87 73.28,72.75 73.54,72.75 73.66,72.87 73.66,74.12 73.79,74.24 74.05,74.24 74.17,74.12 74.17,73.56 74.3,73.43 76.45,73.43 76.58,73.56 76.58,73.84 76.45,73.96 75.36,73.96 75.23,74.09 75.23,74.27 75.36,74.4 76.71,74.4 76.83,74.52 76.83,75.69 76.14,76.39 76.14,91.88 72.14,95.89 72.14,97 73.56,98.42 73.56,102.64 v4(73.81,102.89)
D7: length 124.4
  TOP w0.102: U9.E6 v4(77.41,101.87) ; v5(88.26,75.94) U13.L8 ; U14.G6 v5(63.79,75.98)
  TOP w0.127: R64.2 v1(65.53,121.28) ; CN10.13 v3(53.39,109.78)
  L4_SIG w0.102: v5(88.26,75.94) 87.88,75.56 87.88,73.99 86.99,73.1 86.85,73.1 86.55,73.4 86.38,73.4 86.26,73.28 86.26,73.11 86.56,72.81 86.56,72.67 86.08,72.19 77.5,72.19 v1(77.47,72.21) 67.34,72.21 63.79,75.76 v5(63.79,75.98) ; v3(53.39,109.78) 53.95,109.22 64.52,109.22 70.97,102.77 72.24,102.77 73.15,101.85 75.77,101.85 76.21,102.3 76.98,102.3 v4(77.41,101.87)
  BOTTOM w0.127: v1(65.53,121.28) 65.53,118.24 57.78,110.49 54.1,110.49 v3(53.39,109.78) ; v1(77.47,72.21) 77.47,71.88 77.34,71.75 77.09,71.75 76.96,71.88 76.96,72.39 76.83,72.52 76.65,72.52 76.52,72.39 76.52,71.88 76.4,71.75 76.14,71.75 76.02,71.88 76.02,72.39 75.89,72.52 75.64,72.52 75.51,72.39 75.51,71.88 75.38,71.75 74.12,71.75 73.99,71.63 73.99,71.22 74.12,71.09 77.85,71.09 77.98,71.22 77.98,73.79 77.6,74.17 77.6,76.01 76.9,76.71 76.9,80.23 78.23,81.56 78.23,93.11 77.22,94.13 77.22,98.17 76.58,98.81 76.58,101.05 77.34,101.81 77.35,101.81 v4(77.41,101.87)
D8: length 133.4
  TOP w0.102: v5(88.26,81.54) U13.L2 ; v5(67.94,80.64) 67.92,80.62 U14.B1 ; v4(72.01,102.36) 72.01,102.74 73.23,103.97 76.51,103.97 U9.F3
  TOP w0.127: R54.2 v1(67.56,124.59) ; CN10.16 v3(54.86,108.51)
  L4_SIG w0.102: v5(67.94,80.64) 67.69,80.64 67.56,80.52 67.56,80.11 67.44,79.98 65.38,79.98 65.25,79.86 65.25,79.32 65.38,79.2 65.58,79.2 65.71,79.32 65.71,79.58 65.83,79.71 66,79.71 66.13,79.58 66.13,79.44 66.23,79.34 66.43,79.34 66.53,79.44 66.53,79.58 66.64,79.68 66.84,79.68 66.94,79.58 66.94,79.44 67.04,79.34 67.24,79.34 67.35,79.44 67.35,79.58 67.45,79.68 69.65,79.68 70.33,80.37 74.15,80.37 v1(74.23,80.44) 74.35,80.31 82.3,80.31 82.68,80.7 84.15,80.7 84.66,80.18 87.62,80.18 87.88,80.44 87.88,81.16 v5(88.26,81.54) ; v4(72.01,102.36) 70.94,102.36 64.8,108.51 v3(54.86,108.51)
  BOTTOM w0.127: v3(54.86,108.51) 57.84,108.51 67.06,117.73 67.06,124.08 v1(67.56,124.59) ; v1(74.23,80.44) 74.23,74.83 74.1,74.7 73,74.7 72.87,74.83 72.87,75.16 73,75.29 73.63,75.29 73.76,75.41 73.76,75.64 73.63,75.77 72.95,75.77 72.82,75.9 72.82,76.1 72.95,76.23 73.61,76.23 73.74,76.35 73.74,76.54 73.61,76.67 72.87,76.67 72.75,76.8 72.75,77.05 72.87,77.18 73.61,77.18 73.74,77.3 73.74,77.56 73.61,77.69 72.87,77.69 72.75,77.81 72.75,78.07 72.87,78.19 73.61,78.19 73.74,78.32 73.74,78.57 73.61,78.7 72.87,78.7 72.75,78.83 72.75,79.08 72.87,79.21 73.61,79.21 73.74,79.34 73.74,79.59 73.61,79.72 72.87,79.72 72.75,79.84 72.75,80.1 72.87,80.23 73.61,80.23 73.74,80.35 73.74,81.13 73.61,81.25 72.34,81.25 72.21,81.38 72.21,81.69 72.34,81.81 73.76,81.81 73.89,81.94 73.89,82.19 73.76,82.32 72.34,82.32 72.21,82.45 72.21,83.31 68.83,86.69 68.83,98.93 72.01,102.11 v4(72.01,102.36)
D9: length 131.4
  TOP w0.102: U14.C1 67.19,80.13 v5(67.19,80.64) ; v5(87.46,80.74) U13.M3 ; 71.88,104.01 72.64,104.78 75.5,104.78 U9.G3
  TOP w0.127: 71.88,104.01 71.07,103.2 71.07,101.8 v1(71.03,101.77) ; CN10.15 v3(53.42,108.51) ; R65.2 v1(66.55,121.28)
  L4_SIG w0.102: v5(67.19,80.64) 67.19,80.45 67.01,80.26 65.41,80.26 65.28,80.39 65.28,80.8 65.51,81.03 69.01,81.03 69.14,80.9 69.14,80.42 69.01,80.29 67.95,80.29 67.84,80.19 67.84,80.04 67.95,79.93 69.45,79.93 69.57,80.05 69.57,80.92 69.67,81.03 69.87,81.03 69.98,80.92 69.98,80.77 70.08,80.67 70.28,80.67 70.38,80.77 70.38,80.92 70.48,81.03 70.69,81.03 70.82,80.9 70.82,80.77 70.94,80.64 71.12,80.64 71.25,80.77 71.25,80.9 71.37,81.03 71.55,81.03 71.78,80.8 v1(72.75,80.8) 73.71,80.8 73.84,80.92 74.45,80.92 74.75,80.62 82.14,80.62 82.52,81 84.3,81 84.91,80.38 87.1,80.38 v5(87.46,80.74) ; v3(53.42,108.51) 53.92,108.51 54.61,107.82 64.97,107.82 v1(71.03,101.77)
  BOTTOM w0.127: v3(53.42,108.51) 54,109.09 57.78,109.09 66.55,117.86 v1(66.55,121.28) ; v1(72.75,80.8) 72.34,80.39 72.34,73.1 72.21,72.97 70.36,72.97 70.23,73.1 70.23,73.36 70.36,73.48 71.65,73.48 71.78,73.61 71.78,73.81 71.65,73.94 70.36,73.94 70.23,74.07 70.23,74.32 70.36,74.45 71.68,74.45 71.81,74.57 71.81,74.83 71.68,74.96 70.38,74.96 70.26,75.08 70.26,75.34 70.38,75.46 71.7,75.46 71.83,75.59 71.83,83.13 68.45,86.51 68.45,99.21 71.01,101.77 v1(71.03,101.77)
D10: length 132.2
  TOP w0.102: U9.F4 76.53,102.99 75.53,102.99 75.33,102.79 75.33,101.23 75.08,100.99 72.91,100.99 v4(72.52,100.6) ; 66.29,82.8 66.29,81.66 66.8,81.15 66.8,79.72 U14.C2 ; v5(87.46,81.54) U13.M2
  TOP w0.127: CN10.19 v3(53.42,105.97) ; R67.2 v1(68.58,121.28) ; v5(66.29,83.82) 66.29,82.8
  L4_SIG w0.102: v4(72.52,100.6) 72,101.12 71.53,101.12 71.37,100.97 70.64,100.97 70.12,101.49 69.97,101.49 69.52,101.03 69.38,101.03 69.23,101.18 69.23,101.32 69.68,101.77 69.68,101.92 69.54,102.06 69.4,102.06 68.94,101.61 68.8,101.61 68.66,101.75 68.66,101.9 69.11,102.35 69.11,102.49 68.97,102.64 68.82,102.64 68.37,102.18 68.23,102.18 68.08,102.33 68.08,102.47 68.53,102.92 68.53,103.07 68.39,103.21 68.25,103.21 67.79,102.76 67.65,102.76 67.51,102.9 67.51,103.05 67.96,103.5 67.96,103.64 67.82,103.79 67.67,103.79 67.22,103.33 67.08,103.33 66.93,103.48 66.93,103.62 67.38,104.07 67.38,104.22 67.24,104.36 67.1,104.36 66.64,103.91 66.5,103.91 66.36,104.05 66.36,104.2 66.81,104.65 66.81,104.79 66.67,104.94 66.52,104.94 66.07,104.48 65.93,104.48 65.78,104.63 65.78,104.77 66.23,105.22 66.23,105.37 65.05,106.55 54,106.55 v3(53.42,105.97) ; v5(87.46,81.54) 86.45,82.55 86.45,82.74 85.75,83.44 74.55,83.44 v1(74.42,83.31) 66.42,83.31 66.29,83.44 v5(66.29,83.82)
  BOTTOM w0.127: v1(68.58,121.28) 68.58,117.35 57.91,106.68 54.13,106.68 v3(53.42,105.97) ; v4(72.52,100.6) 72.52,98.81 69.98,96.27 69.98,90.78 70.1,90.65 70.48,90.65 70.61,90.53 70.61,90.32 70.48,90.2 70.13,90.2 70,90.07 70,89.87 70.13,89.74 70.46,89.74 70.59,89.61 70.59,89.43 70.46,89.31 70.1,89.31 69.98,89.18 69.98,88.85 70.1,88.72 70.89,88.72 71.02,88.85 71.02,90.53 71.15,90.65 71.35,90.65 71.48,90.53 71.48,88.85 71.6,88.72 71.81,88.72 71.93,88.85 71.93,90.53 72.06,90.65 72.31,90.65 72.44,90.53 72.44,88.85 72.57,88.72 72.82,88.72 72.95,88.85 72.95,90.53 73.08,90.65 73.33,90.65 73.46,90.53 73.46,88.85 73.58,88.72 73.84,88.72 73.96,88.85 73.96,90.53 74.09,90.65 74.3,90.65 74.42,90.53 v1(74.42,83.31)
